# KiCad board shimarray.kicad_pcb (continued)
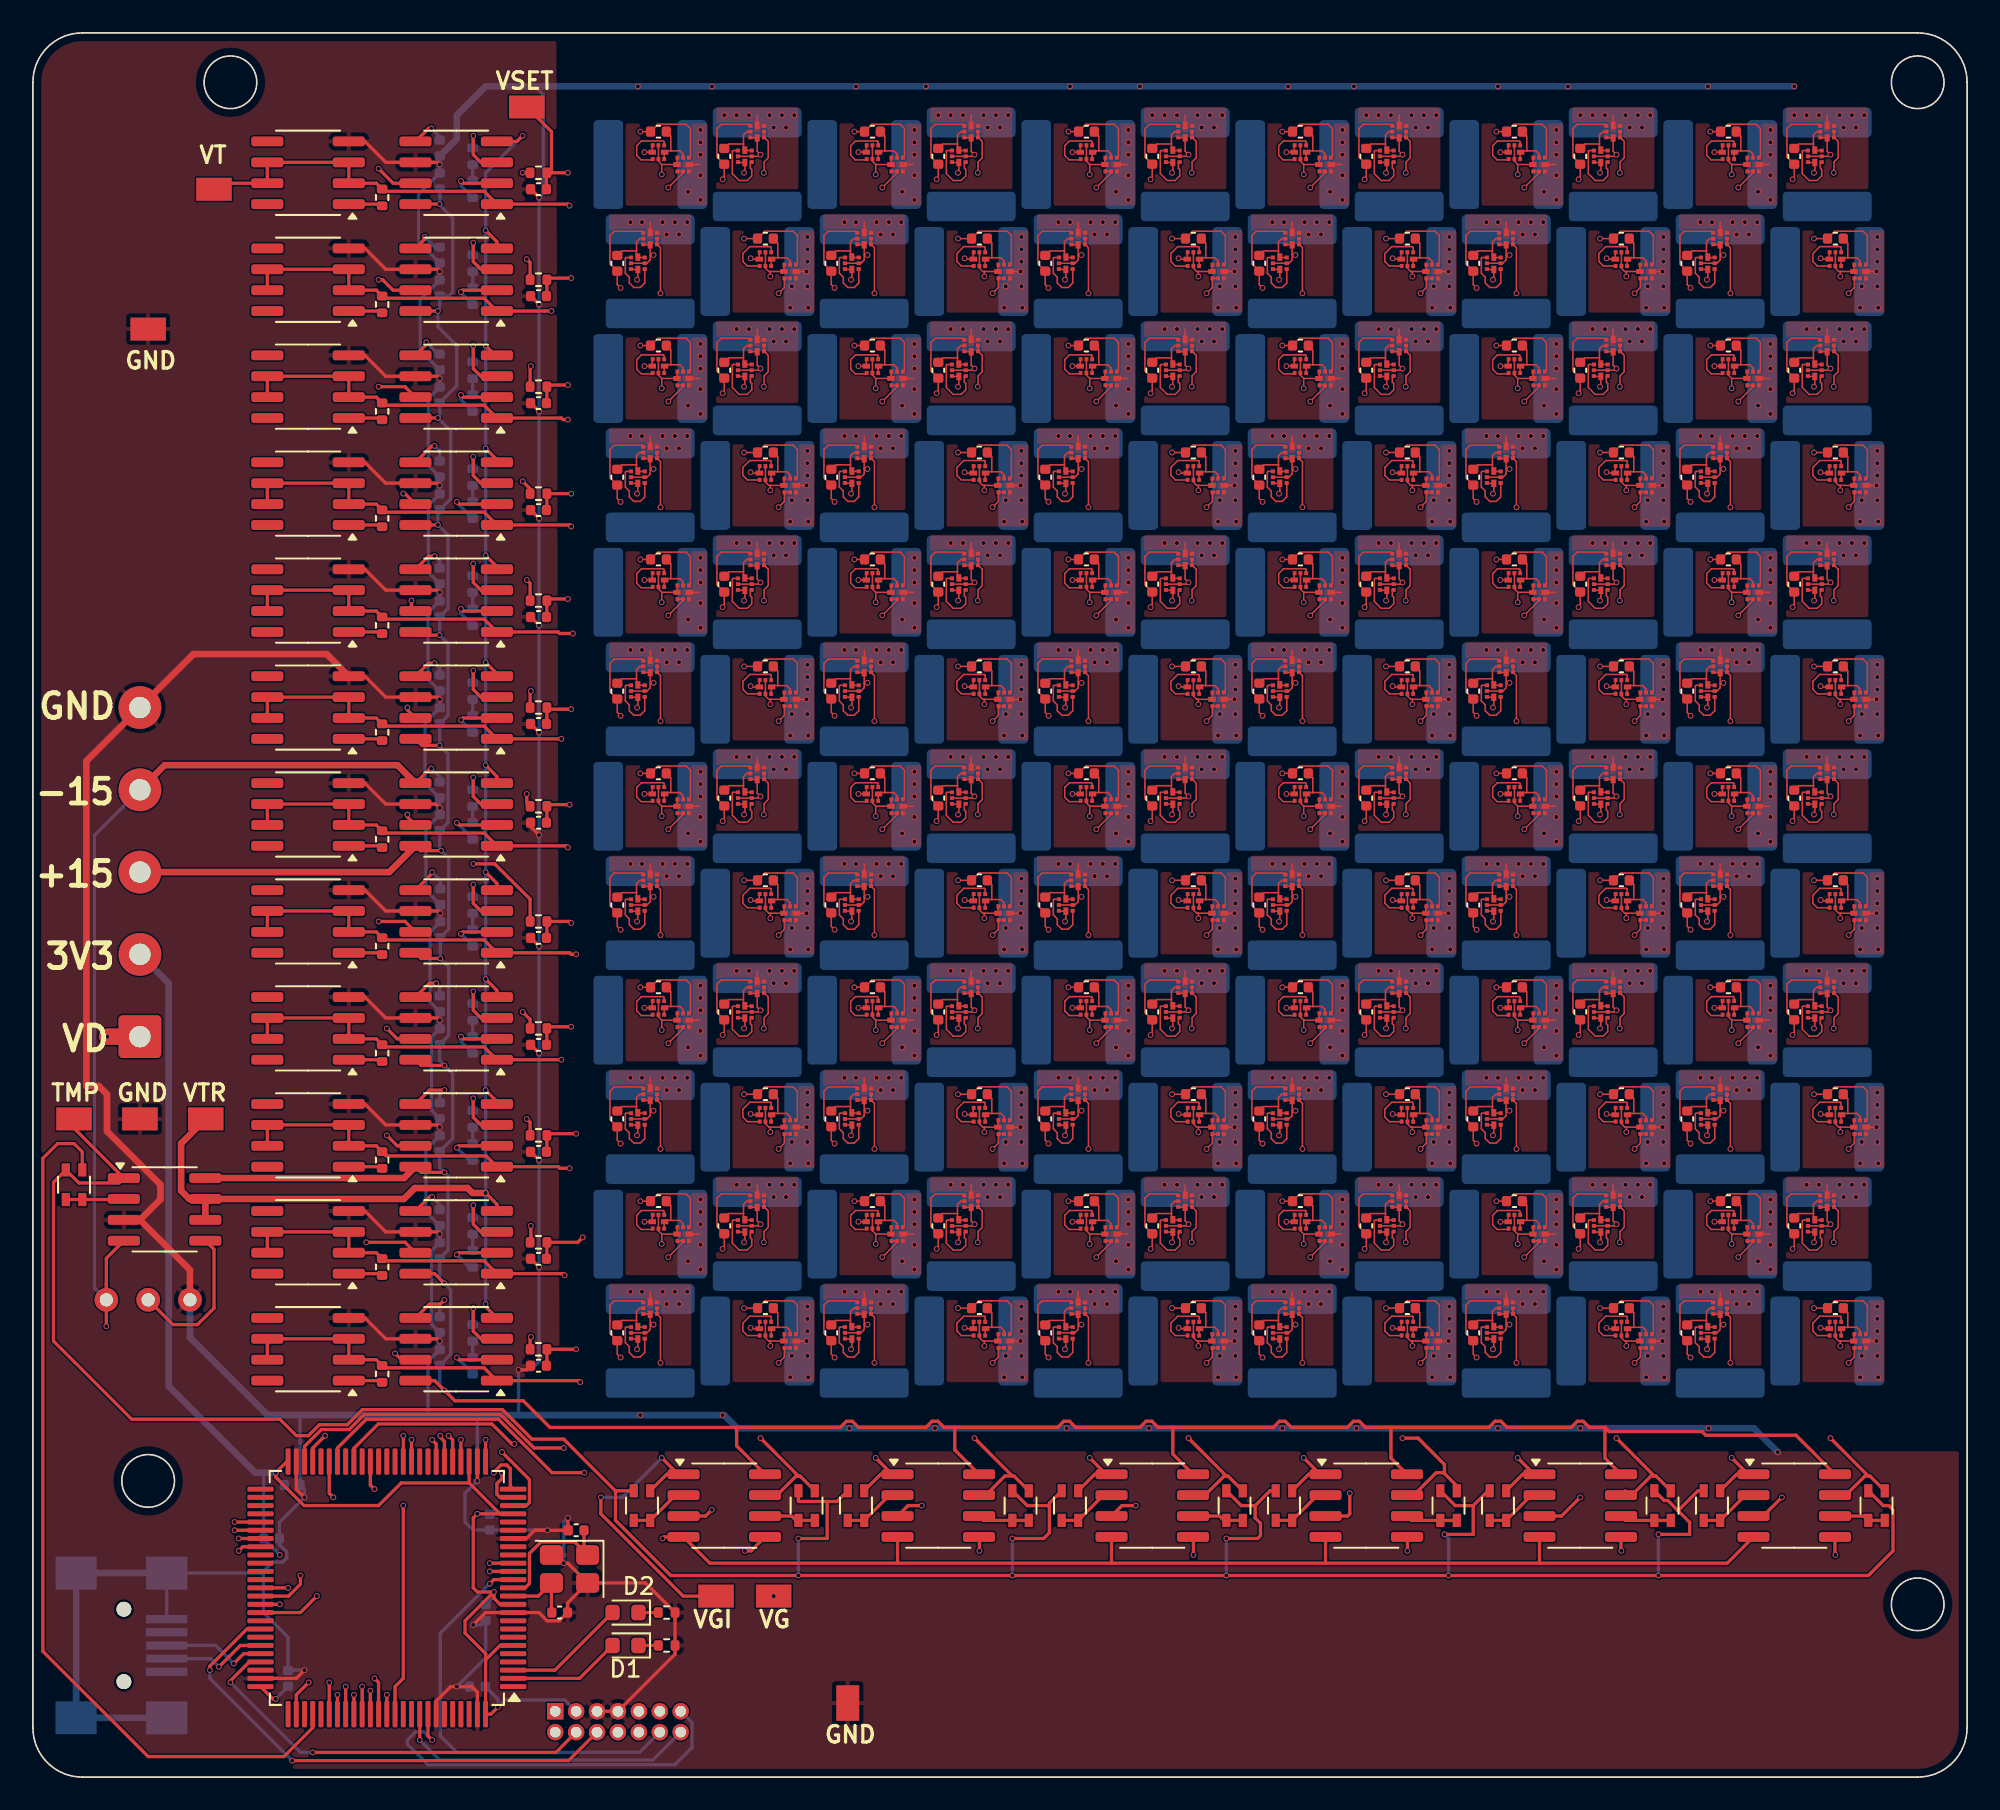
[diagram p0: board, top side]
## Routing (per net, layer and track width the routed paths; a pad name or vN(x,y) marks a point on that pad's centre or on a via; arc(x,y) is an arc through that point) (continued)
/Element_4x36/Vt4_1: length 130.7
  Top w0.09: Q224.1 Q224.2 78.5,45.5 v1(77.6,44.6) ; Q218.2 Q218.1 83.43,47.65 83.67,47.41 83.67,46.41 83.42,46.15 83.42,45.52 v1(83.4,45.5) ; v1(51.6,44.6) 52.5,45.5 Q208.2 Q208.1 ; v1(44.4,45.5) 44.42,45.52 44.42,46.15 44.67,46.41 44.67,47.41 44.43,47.65 Q194.1 Q194.2 ; v1(90.6,44.6) 91.5,45.5 Q232.2 Q232.1 ; Q210.2 Q210.1 70.43,47.65 70.67,47.41 70.67,46.41 70.42,46.15 70.42,45.52 v1(70.4,45.5) ; v1(64.6,44.6) 65.5,45.5 Q216.2 Q216.1 ; Q200.1 Q200.2 39.5,45.5 v1(38.6,44.6) ; Q240.1 Q240.2 104.5,45.5 v1(103.6,44.6) ; Q234.2 Q234.1 109.43,47.65 109.67,47.41 109.67,46.41 109.42,46.15 109.42,45.52 v1(109.4,45.5) ; Q202.2 Q202.1 57.43,47.65 57.67,47.41 57.67,46.41 57.42,46.15 57.42,45.52 v1(57.4,45.5) ; v1(96.4,45.5) 96.42,45.52 96.42,46.15 96.67,46.41 96.67,47.41 96.43,47.65 Q226.1 Q226.2
  Top w0.2: v1(32.1,43.6) 32.09,43.59 U21.1 27.41,44.37 21.35,44.37 R35.2 20.86,44.87 U20.2 U20.3 U20.6 U20.7
  In1.Cu w0.09: v1(38.6,44.6) 38.9,44.9 41.44,44.9 41.71,44.63 42.09,44.63 42.36,44.9 43.8,44.9 v1(44.4,45.5) 45.3,44.6 v1(51.6,44.6) 51.9,44.9 54.44,44.9 54.71,44.63 55.09,44.63 55.36,44.9 56.8,44.9 v1(57.4,45.5) 58.3,44.6 v1(64.6,44.6) 64.9,44.9 67.44,44.9 67.71,44.63 68.09,44.63 68.36,44.9 69.8,44.9 v1(70.4,45.5) 71.3,44.6 v1(77.6,44.6) 77.9,44.9 80.44,44.9 80.71,44.63 81.09,44.63 81.36,44.9 82.8,44.9 v1(83.4,45.5) 84.3,44.6 v1(90.6,44.6) 90.9,44.9 93.44,44.9 93.71,44.63 94.09,44.63 94.36,44.9 95.8,44.9 v1(96.4,45.5) 97.3,44.6 v1(103.6,44.6) 103.9,44.9 106.44,44.9 106.71,44.63 107.09,44.63 107.36,44.9 108.8,44.9 v1(109.4,45.5)
  In1.Cu w0.2: v1(38.6,44.6) 33.1,44.6 v1(32.1,43.6)
/Element_4x36/Vt4_2: length 128.5
  Top w0.09: Q196.2 Q196.1 45.65,38.53 v1(45.3,38.18) ; Q214.2 Q214.1 64.12,40.94 v1(64.12,38.18) ; Q204.2 Q204.1 58.65,38.53 v1(58.3,38.18) ; Q222.2 Q222.1 77.12,40.94 v1(77.12,38.18) ; v1(51.12,38.18) 51.12,40.94 Q206.1 Q206.2 ; Q212.2 Q212.1 71.65,38.53 v1(71.3,38.18) ; Q236.2 Q236.1 110.65,38.53 v1(110.3,38.18) ; v1(84.3,38.18) 84.65,38.53 Q220.1 Q220.2 ; v1(103.12,38.18) 103.12,40.94 Q238.1 Q238.2 ; v1(90.12,38.18) 90.12,40.94 Q230.1 Q230.2 ; v1(97.3,38.18) 97.65,38.53 Q228.1 Q228.2 ; Q198.2 Q198.1 38.12,40.94 v1(38.12,38.18)
  Top w0.2: U22.7 U22.6 U22.3 U22.2 20.86,38.37 R38.2 21.47,37.75 27.53,37.75 U23.1 31.91,37.09 32,37 v1(32.6,37)
  In1.Cu w0.09: v1(38.12,38.18) v1(45.3,38.18) v1(51.12,38.18) v1(58.3,38.18) v1(64.12,38.18) v1(71.3,38.18) v1(77.12,38.18) v1(84.3,38.18) v1(90.12,38.18) v1(97.3,38.18) v1(103.12,38.18) v1(110.3,38.18)
  In1.Cu w0.2: v1(38.12,38.18) 36.95,37 v1(32.6,37)
/Element_4x44/Vd4_1: length 96.5
  Top w0.09: 89.1,33.8 v1(89.15,33.75) Q279.6 ; 37.62,33.83 37.62,34.22 37.65,34.25 ; v1(95.2,32.5) 95.25,32.55 Q273.6 ; Q281.6 108.25,32.55 v1(108.2,32.5) ; Q241.6 43.25,32.55 v1(43.2,32.5) ; Q255.6 v1(50.15,33.75) 50.1,33.8 ; 42.75,33.15 42.78,33.12 43.17,33.12 ; 50.62,33.83 50.62,34.22 50.65,34.25 ; 108.17,33.12 107.78,33.12 107.75,33.15 ; v1(69.2,32.5) 69.25,32.55 Q257.6 ; 69.17,33.12 68.78,33.12 68.75,33.15 ; v1(56.2,32.5) 56.25,32.55 Q249.6 ; Q265.6 82.25,32.55 v1(82.2,32.5) ; 89.65,34.25 89.62,34.22 89.62,33.83 ; Q271.6 v1(76.15,33.75) 76.1,33.8 ; 63.1,33.8 v1(63.15,33.75) Q263.6 ; Q287.6 v1(102.15,33.75) 102.1,33.8 ; 76.65,34.25 76.62,34.22 76.62,33.83 ; 56.17,33.12 55.78,33.12 55.75,33.15 ; 102.62,33.83 102.62,34.22 102.65,34.25 ; 63.65,34.25 63.62,34.22 63.62,33.83 ; 37.1,33.8 v1(37.15,33.75) Q247.6 ; 82.17,33.12 81.78,33.12 81.75,33.15 ; 95.17,33.12 94.78,33.12 94.75,33.15
  Top w0.2: v1(33.4,32.8) 33.1,32.5 R14.2 31.22,31.53 C19.1
  In1.Cu w0.09: v1(108.2,32.5) 107.6,33.1 102.8,33.1 v1(102.15,33.75) 97.35,33.75 96.7,33.1 95.8,33.1 v1(95.2,32.5) 94.6,33.1 89.8,33.1 v1(89.15,33.75) 84.35,33.75 83.7,33.1 82.8,33.1 v1(82.2,32.5) 81.6,33.1 76.8,33.1 v1(76.15,33.75) 71.35,33.75 70.7,33.1 69.8,33.1 v1(69.2,32.5) 68.6,33.1 63.8,33.1 v1(63.15,33.75) 58.35,33.75 57.7,33.1 56.8,33.1 v1(56.2,32.5) 55.6,33.1 50.8,33.1 v1(50.15,33.75) 45.35,33.75 44.7,33.1 43.8,33.1 v1(43.2,32.5) 42.6,33.1 37.8,33.1 v1(37.15,33.75)
  In1.Cu w0.2: v1(33.4,32.8) 36.2,32.8 v1(37.15,33.75)
/Element_4x44/Vd4_2: length 96.6
  Top w0.09: 75.25,26.65 75.28,26.62 75.67,26.62 ; v1(95.6,27.3) 95.65,27.25 Q275.6 ; Q277.6 88.75,26.05 v1(88.7,26) ; Q283.6 108.65,27.25 v1(108.6,27.3) ; v1(75.7,26) 75.75,26.05 Q269.6 ; 62.25,26.65 62.28,26.62 62.67,26.62 ; Q259.6 69.65,27.25 v1(69.6,27.3) ; Q251.6 56.65,27.25 v1(56.6,27.3) ; v1(82.6,27.3) 82.65,27.25 Q267.6 ; 49.25,26.65 49.28,26.62 49.67,26.62 ; 88.67,26.62 88.28,26.62 88.25,26.65 ; 36.25,26.65 36.28,26.62 36.67,26.62 ; Q243.6 43.65,27.25 v1(43.6,27.3) ; 101.25,26.65 101.28,26.62 101.67,26.62 ; v1(36.7,26) 36.75,26.05 Q245.6 ; 109.12,27.33 109.12,27.72 109.15,27.75 ; 70.12,27.33 70.12,27.72 70.15,27.75 ; 57.15,27.75 57.12,27.72 57.12,27.33 ; 96.15,27.75 96.12,27.72 96.12,27.33 ; v1(101.7,26) 101.75,26.05 Q285.6 ; v1(62.7,26) 62.75,26.05 Q261.6 ; 83.15,27.75 83.12,27.72 83.12,27.33 ; Q253.6 49.75,26.05 v1(49.7,26) ; 44.15,27.75 44.12,27.72 44.12,27.33
  Top w0.2: v1(33,26) R13.2 31.22,25.03 C20.1
  In1.Cu w0.09: v1(108.6,27.3) 103.36,27.3 102.89,26.83 102.53,26.83 v1(101.7,26) 97.8,26 96.5,27.3 v1(95.6,27.3) 90.36,27.3 89.89,26.83 89.53,26.83 v1(88.7,26) 84.8,26 83.5,27.3 v1(82.6,27.3) 77.36,27.3 76.89,26.83 76.53,26.83 v1(75.7,26) 71.8,26 70.5,27.3 v1(69.6,27.3) 64.36,27.3 63.89,26.83 63.53,26.83 v1(62.7,26) 58.8,26 57.5,27.3 v1(56.6,27.3) 51.36,27.3 50.89,26.83 50.53,26.83 v1(49.7,26) 45.8,26 44.5,27.3 v1(43.6,27.3) 38.36,27.3 37.89,26.83 37.53,26.83 v1(36.7,26)
  In1.Cu w0.2: v1(36.7,26) v1(33,26)
/Element_4x44/Vt4_1: length 130.7
  Top w0.09: v1(77.6,31.6) 78.5,32.5 Q272.2 Q272.1 ; Q250.2 Q250.1 57.43,34.65 57.67,34.41 57.67,33.41 57.42,33.15 57.42,32.52 v1(57.4,32.5) ; Q266.2 Q266.1 83.43,34.65 83.67,34.41 83.67,33.41 83.42,33.15 83.42,32.52 v1(83.4,32.5) ; Q282.2 Q282.1 109.43,34.65 109.67,34.41 109.67,33.41 109.42,33.15 109.42,32.52 v1(109.4,32.5) ; Q256.1 Q256.2 52.5,32.5 v1(51.6,31.6) ; v1(38.6,31.6) 39.5,32.5 Q248.2 Q248.1 ; v1(70.4,32.5) 70.42,32.52 70.42,33.15 70.67,33.41 70.67,34.41 70.43,34.65 Q258.1 Q258.2 ; Q288.1 Q288.2 104.5,32.5 v1(103.6,31.6) ; v1(44.4,32.5) 44.42,32.52 44.42,33.15 44.67,33.41 44.67,34.41 44.43,34.65 Q242.1 Q242.2 ; v1(90.6,31.6) 91.5,32.5 Q280.2 Q280.1 ; Q274.2 Q274.1 96.43,34.65 96.67,34.41 96.67,33.41 96.42,33.15 96.42,32.52 v1(96.4,32.5) ; v1(64.6,31.6) 65.5,32.5 Q264.2 Q264.1
  Top w0.2: v1(32.3,30.5) 32.21,30.59 U25.1 27.41,31.37 21.35,31.37 R41.2 20.86,31.87 U24.2 U24.3 U24.6 U24.7
  In1.Cu w0.09: v1(38.6,31.6) 38.9,31.9 41.44,31.9 41.71,31.63 42.09,31.63 42.36,31.9 43.8,31.9 v1(44.4,32.5) 45.3,31.6 v1(51.6,31.6) 51.9,31.9 54.44,31.9 54.71,31.63 55.09,31.63 55.36,31.9 56.8,31.9 v1(57.4,32.5) 58.3,31.6 v1(64.6,31.6) 64.9,31.9 67.44,31.9 67.71,31.63 68.09,31.63 68.36,31.9 69.8,31.9 v1(70.4,32.5) 71.3,31.6 v1(77.6,31.6) 77.9,31.9 80.44,31.9 80.71,31.63 81.09,31.63 81.36,31.9 82.8,31.9 v1(83.4,32.5) 84.3,31.6 v1(90.6,31.6) 90.9,31.9 93.44,31.9 93.71,31.63 94.09,31.63 94.36,31.9 95.8,31.9 v1(96.4,32.5) 97.3,31.6 v1(103.6,31.6) 103.9,31.9 106.44,31.9 106.71,31.63 107.09,31.63 107.36,31.9 108.8,31.9 v1(109.4,32.5)
  In1.Cu w0.2: v1(32.3,30.5) 33.4,31.6 v1(38.6,31.6)
/Element_4x44/Vt4_2: length 128.5
  Top w0.09: Q260.2 Q260.1 71.65,25.53 v1(71.3,25.18) ; v1(51.12,25.18) 51.12,27.94 Q254.1 Q254.2 ; Q286.2 Q286.1 103.12,27.94 v1(103.12,25.18) ; Q246.2 Q246.1 38.12,27.94 v1(38.12,25.18) ; Q244.2 Q244.1 45.65,25.53 v1(45.3,25.18) ; v1(77.12,25.18) 77.12,27.94 Q270.1 Q270.2 ; Q262.2 Q262.1 64.12,27.94 v1(64.12,25.18) ; Q278.2 Q278.1 90.12,27.94 v1(90.12,25.18) ; Q252.2 Q252.1 58.65,25.53 v1(58.3,25.18) ; Q268.2 Q268.1 84.65,25.53 v1(84.3,25.18) ; Q284.2 Q284.1 110.65,25.53 v1(110.3,25.18) ; v1(97.3,25.18) 97.65,25.53 Q276.1 Q276.2
  Top w0.2: U26.7 U26.6 U26.3 U26.2 20.86,25.37 R44.2 21.35,24.87 27.41,24.87 U27.1 33.16,24.09 v1(33.25,24)
  In1.Cu w0.09: v1(38.12,25.18) v1(45.3,25.18) v1(51.12,25.18) v1(58.3,25.18) v1(64.12,25.18) v1(71.3,25.18) v1(77.12,25.18) v1(84.3,25.18) v1(90.12,25.18) v1(97.3,25.18) v1(103.12,25.18) v1(110.3,25.18)
  In1.Cu w0.2: v1(38.12,25.18) 36.95,24 v1(33.25,24)
/Gate driver/TMP: length 196.1
  Top w0.2: RN10.2 101.15,17.4 99.94,16.19 ; 61.75,16.5 61.75,16.65 RN4.2 ; 61.75,16.5 61.75,14.85 61.4,14.5 v1(59.5,14.5) ; 61.75,16.5 60.4,16.5 RN3.2 ; v1(46.5,14.5) 48.25,14.5 48.25,16.75 ; RN7.2 86.4,16.5 87.5,16.5 ; 87.5,16.5 87.5,14.75 v1(85.75,14.75) ; 87.5,16.5 88.4,17.4 RN8.2 ; 74.25,16.5 74.25,15.75 74.57,15.43 74.57,14.68 74.4,14.5 v1(72.5,14.5) ; 74.25,16.5 75.15,17.4 RN6.2 ; 74.25,16.5 73.4,16.5 RN5.2 ; 35.39,17.39 35.39,15.61 38.75,12.25 v1(46.5,12.25) v1(59.5,12.25) v1(72.5,12.25) v1(86,12.25) v1(98.75,12.25) 111.5,12.25 113,13.75 113,16.25 112.75,16.5 112.4,16.5 RN11.2 ; 35.39,17.39 35.4,17.4 RN12.2 ; 35.39,17.39 32.24,20.54 30.31,20.54 28.52,22.33 20.01,22.33 19.09,21.42 17.4,21.42 16.74,20.75 16,20.75 15,21.75 6,21.75 1.25,26.5 1.25,36.15 RN1.4 2.8,36.1 5.22,36.1 U2.1 2.5,39.43 TP5.1 ; v1(98.75,14.75) 100.65,14.75 100.65,15.48 99.94,16.19 ; 99.94,16.19 99.32,16.81 99.09,16.81 RN9.2 ; RN13.2 46.5,16.75 48.25,16.75 ; RN2.2 48.85,16.75 48.25,16.75
  Bottom w0.2: v1(46.5,14.5) v1(46.5,12.25) ; v1(86,12.25) 86,14.5 v1(85.75,14.75) ; v1(72.5,14.5) v1(72.5,12.25) ; v1(59.5,14.5) v1(59.5,12.25) ; v1(98.75,14.75) v1(98.75,12.25)
/RX: length 24.6
  Top w0.2: U1.93 24,2.5 v1(24.25,2.25)
  Bottom w0.2: v1(24.25,2.25) 23.75,2.75 23.25,2.75 22.75,2.25 22.75,2 24,0.75 39,0.75 40.04,1.79 40.04,3.31 J2.13
/SWCLK: length 31.1
  Top w0.2: v1(15.75,1) 32.54,1 J2.6 ; U1.68 13,9 10.75,6.75 v1(10.75,6.5)
  Bottom w0.2: v1(15.75,1) 10.75,6 v1(10.75,6.5)
/SWDIO: length 25.7
  Top w0.2: U1.72 13.15,7 12,5.85 v1(12,5.75) ; J2.4 31.77,1.5 v1(17,1.5)
  Bottom w0.2: v1(12,5.75) 16.25,1.5 v1(17,1.5)
/TMP1: length 90.1
  Top w0.2: v1(21,97.75) 21.89,96.86 U30.7 ; v1(28.5,19.75) 30.17,18.08 30.17,16.69 29.97,16.5 U1.23
  In1.Cu w0.2: v1(21,97.75) 28.5,90.25 28.5,85.23 28.38,85.11 28.38,68.64 28.58,68.44 28.58,64.47 28.34,64.23 28.34,47.33 28.12,47.12 28.12,42.82 28.3,42.65 28.3,41.44 28.05,41.19 28.05,35.89 28.17,35.78 28.17,35.22 28.05,35.11 28.05,33.35 28.05,33.35 28.05,29.14 28.17,29.03 28.17,28.47 27.67,27.98 27.67,25.97 27.3,25.6 27.3,21.65 28.58,20.37 28.58,19.83 v1(28.5,19.75)
/TMP2: length 83.9
  Top w0.2: U1.24 28.38,17 28.18,17.19 28.18,17.83 28.5,18.15 v1(28.5,18.5) ; v1(21,91) 21.25,91 21.89,90.36 U32.7
  In1.Cu w0.2: v1(21,91) 24.25,91 28,87.25 28,68.61 28.29,68.32 28.29,64.59 28.05,64.35 28.05,47.45 27.84,47.24 27.84,42.7 28.01,42.53 28.01,41.56 27.76,41.31 27.76,35.77 27.88,35.66 27.88,35.34 27.76,35.23 27.76,33.47 27.76,33.47 27.76,29.02 27.88,28.91 27.88,28.59 27.38,28.1 27.38,26.09 27.01,25.72 27.01,21.53 28.12,20.42 28.12,19.59 28.5,19.22 v1(28.5,18.5)
/TMP3: length 80.2
  Top w0.2: U1.25 29,17.68 29,18.75 28.78,18.97 28.44,18.97 28,18.53 v1(28,18.5) ; v1(21,84.5) 22.6,84.5 U9.7
  In1.Cu w0.2: v1(21,84.5) 21.88,83.62 26.13,83.62 27.12,82.63 27.12,80.59 27.34,80.37 27.34,78.61 27.12,78.38 27.12,73.83 27.55,73.4 27.55,68.65 28,68.2 28,64.71 27.12,63.83 27.12,61.17 27.76,60.53 27.76,57.22 27.12,56.58 27.12,55.73 27.18,55.68 27.18,55.32 27.12,55.27 27.12,54.84 27.34,54.62 27.34,54.31 27.12,54.09 27.12,47.83 27.54,47.4 27.54,44.94 27.12,44.51 27.12,41.59 27.38,41.34 26.76,40.72 26.76,37.28 27.12,36.92 27.12,34.99 27.47,34.64 27.47,34.4 27.12,34.05 27.12,28.59 27.22,28.5 27.22,28.35 27.09,28.23 27.09,26.21 26.72,25.84 26.72,20.75 27.34,20.12 27.66,20.12 27.66,19.91 27.37,19.62 27.37,19.13 v1(28,18.5)
/TMP4: length 62.9
  Top w0.2: U1.26 v1(27.5,20.5) ; U11.7 22.6,78 v1(22.5,78)
  In2.Cu w0.2: v1(22.5,78) 24,78 25.18,76.82 25.18,71.23 25.54,70.87 25.54,64.03 25.66,63.91 25.66,63.75 26.13,63.28 26.13,54.28 26.38,54.03 26.38,48.26 26.33,48.22 26.33,47.64 27.13,46.84 27.13,41.98 27.07,41.93 27.07,41.57 27.13,41.52 27.13,35.73 27.07,35.68 27.07,34.96 27.13,34.91 27.13,28.98 27.07,28.93 27.07,28.71 27.13,28.66 27.13,20.87 v1(27.5,20.5)
/TMP5: length 55.8
  Top w0.2: U13.7 23,71.1 v1(23,71.5) ; U1.29 v1(26,20.5)
  In2.Cu w0.2: v1(26,20.5) 26,21.09 26.42,21.51 26.42,28.3 26.29,28.43 26.29,31.35 26.42,31.47 26.42,33.99 26.25,34.16 26.25,44.72 26.38,44.84 26.38,46.12 26.04,46.46 26.04,50.68 25.54,51.18 25.54,57.68 25.25,57.97 25.25,60.59 25.37,60.71 25.37,63.79 25.25,63.91 25.25,70.75 23.75,70.75 v1(23,71.5)
/TMP6: length 50.2
  Top w0.2: U1.30 25.5,20.5 v1(25.25,20.75) ; U15.7 22.75,64.85 v1(22.75,65)
  In2.Cu w0.2: v1(22.75,65) 23.75,65 25.08,63.67 25.08,60.83 24.25,60 24.25,58.56 25.25,57.56 25.25,51.06 25.5,50.81 25.5,43.91 25.67,43.74 25.67,41.47 25.54,41.35 25.54,40.13 25.25,39.84 25.25,37.03 25.38,36.91 25.38,36.25 25.38,36.25 25.38,34.62 26.12,33.88 26.12,31.59 26,31.47 26,28.31 26.12,28.18 26.12,21.62 v1(25.25,20.75)
/TMP7: length 44.3
  Top w0.2: U17.7 22.75,58.35 v1(22.75,58.5) ; v1(24.75,20.75) 24.75,20.65 25,20.4 U1.31
  In2.Cu w0.2: v1(24.75,20.75) 24.75,21.5 25.5,22.25 25.5,24.5 25.25,24.75 25.25,28.72 25.5,28.97 25.5,31.47 25.09,31.88 25.09,36.13 24.25,36.97 24.25,39.57 24.93,40.25 25.25,40.25 25.25,41.47 25.38,41.59 25.38,41.91 24.34,42.94 24.34,47.56 25.13,48.34 25.13,50.62 24,51.75 24,53.5 24.75,54.25 24.75,55.03 23.25,56.53 23.25,58 v1(22.75,58.5)
/TMP8: length 37
  Top w0.2: v1(24.25,20.5) 24.5,20.25 U1.32 ; v1(21,52) 22.6,52 U19.7
  In2.Cu w0.2: v1(24.25,20.5) 24.25,25.75 22,28 22,38.56 22.25,38.81 22.25,40.75 22,41 22,51 v1(21,52)
/TMP9: length 29.6
  Top w0.2: U21.7 22.14,44.87 v1(21.5,45.5) ; U1.35 v1(23,20.5)
  In2.Cu w0.2: v1(21.5,45.5) 21.25,45.25 21.25,41.25 21.96,40.54 21.96,38.93 21.71,38.68 21.71,27.79 23.25,26.25 23.25,20.75 v1(23,20.5)
/TMP10: length 22.9
  Top w0.2: U1.36 v1(22.5,20.75) ; v1(21.5,39) 22.14,38.37 U23.7
  In2.Cu w0.2: v1(22.5,20.75) 22.75,21 22.75,26 21.88,26.87 21.88,27.21 20.96,28.13 20.96,38.46 v1(21.5,39)
/TMP11: length 27.9
  Top w0.2: v1(20.25,32.5) 22.6,32.5 U25.7 ; U1.15 v1(27.75,12.5)
  In2.Cu w0.2: v1(20.25,32.5) 20.25,19.75 27.5,12.5 v1(27.75,12.5)
/TMP12: length 18
  Top w0.2: v1(22,25.75) 22.39,25.37 U27.7 ; v1(27.75,13) U1.16
  In2.Cu w0.2: v1(27.75,13) 22,18.75 v1(22,25.75)
/TMP_SEL: length 54.6
  Top w0.2: RN1.3 3,38 2.5,38.5 1.5,38.5 0.6,37.6 0.6,7.65 7,1.25 15.25,1.25 17,3 U1.79
/TX: length 18.6
  Top w0.2: v1(23.5,2.25) U1.92
  Bottom w0.2: J2.14 37.66,1.04 24.71,1.04 v1(23.5,2.25)
/VD1: length 88.2
  Top w0.2: v1(30,92.25) 30.2,92.05 R3.1 ; U1.40 20.5,17.75 v1(20.75,17.5)
  In1.Cu w0.2: v1(20.75,17.5) 27.84,17.5 28.38,18.04 28.57,18.04 29.17,18.64 29.17,18.74 29.63,19.2 29.63,20.56 29.3,20.88 28.89,20.88 27.88,21.89 27.88,25.36 28.25,25.73 28.25,27.74 28.75,28.23 28.75,29.27 28.63,29.38 28.63,33.11 28.63,33.11 28.63,34.87 28.75,34.98 28.75,36.02 28.63,36.13 28.63,40.95 28.88,41.2 28.88,42.89 28.71,43.06 28.71,46.88 28.92,47.09 28.92,63.99 29.21,64.28 29.21,68.63 28.96,68.88 28.96,84.87 29.41,85.32 29.41,85.33 29.5,85.41 29.5,91.75 v1(30,92.25)
/VD2: length 91.6
  Top w0.2: R4.1 v1(29.75,97.5) ; U1.42 19.5,19.97 20.99,21.46 27.88,21.46 29.09,20.25 v1(29.25,20.25)
  In1.Cu w0.2: v1(29.25,20.25) 29.11,20.25 27.59,21.77 27.59,25.48 27.96,25.85 27.96,27.86 28.46,28.35 28.46,29.15 28.34,29.26 28.34,33.23 28.34,33.23 28.34,34.99 28.46,35.1 28.46,35.9 28.34,36.01 28.34,41.07 28.59,41.32 28.59,42.77 28.41,42.94 28.41,47 28.63,47.21 28.63,64.11 28.92,64.4 28.92,68.51 28.67,68.76 28.67,84.99 29.12,85.44 29.12,96.87 v1(29.75,97.5)
/VD3: length 80.6
  Top w0.2: v1(33.5,18.5) 31.53,18.5 28.28,21.75 20.25,21.75 18.5,20 U1.44 ; v1(29.75,78.75) 30.2,78.3 R5.1
  In1.Cu w0.2: v1(33.5,18.5) 33.5,20.8 31.92,22.38 31.92,42.08 31.42,42.58 31.42,77.08 v1(29.75,78.75)
/VD4: length 85.4
  Top w0.2: v1(18.25,17) 18,17.25 U1.45 ; R6.1 30.2,85.7 v1(30.25,85.75)
  In1.Cu w0.2: v1(18.25,17) 28.25,17 29.21,17.96 29.21,18.12 29.92,18.83 29.92,20.76 29.51,21.17 29.01,21.17 28.17,22.01 28.17,24.74 28.54,25.11 28.54,27.62 29.04,28.11 29.04,29.39 28.92,29.5 28.92,32.99 28.92,32.99 28.92,34.75 29.04,34.86 29.04,36.14 28.92,36.25 28.92,40.74 29.17,40.99 29.17,43.01 29,43.18 29,46.76 29.21,46.97 29.21,59.9 29.5,60.19 29.5,68.75 29.25,69 29.25,84.75 29.71,85.2 29.71,85.2 29.79,85.29 29.79,85.29 v1(30.25,85.75)
/VD5: length 74.2
  Top w0.2: U1.77 16,5 v1(16.75,5.75) ; R7.1 30.2,65.95 v1(30.25,66)
  In1.Cu w0.2: v1(16.75,5.75) 17.25,5.75 26.09,14.59 29.48,14.59 31.76,16.87 31.76,19.89 32.07,19.57 32.43,19.57 32.68,19.82 32.68,21.22 31.63,22.26 31.63,41.37 31.13,41.87 31.13,59.16 30.37,59.91 30.37,65.88 v1(30.25,66)
/VD6: length 79.3
  Top w0.2: R8.1 30.2,72.55 v1(30,72.75) ; U1.89 22,5.5 22.5,6 v1(22.5,16.5)
  In1.Cu w0.2: v1(22.5,16.5) 23.34,16.5 23.38,16.54 26.53,16.54 26.68,16.69 28.69,16.69 30.21,18.21 30.21,20.88 29.63,21.46 29.13,21.46 28.46,22.13 28.46,24.62 28.83,24.99 28.83,27.5 29.33,27.99 29.33,29.51 29.21,29.62 29.21,32.87 29.21,32.87 29.21,33.87 29.33,33.99 29.33,36.26 29.21,36.37 29.21,40.62 29.46,40.87 29.46,43.13 29.28,43.3 29.28,46.64 29.5,46.85 29.5,59.78 29.62,59.9 29.62,59.91 30,60.28 30,65.65 29.82,65.82 29.82,66.18 30,66.35 v1(30,72.75)
/VD7: length 47.2
  Top w0.2: R9.1 30.2,53.35 28.06,55.5 v1(26.75,55.5) ; U1.47 17,20 v1(17.75,20.75)
  In1.Cu w0.2: v1(26.75,55.5) 23.5,52.25 23.5,24.5 19.75,20.75 v1(17.75,20.75)
/VD8: length 60.5
  Top w0.2: v1(32.25,20) 30.44,20 28.4,22.04 20.13,22.04 19.21,21.12 17.52,21.12 16.5,20.1 U1.48 ; R10.1 30,59.2 v1(30,59.75)
  In1.Cu w0.2: v1(32.25,20) 32.25,21.23 31.25,22.23 31.25,32.22 30.37,33.09 31.13,33.84 31.13,41.37 30.29,42.21 30.29,43.37 30.18,43.49 30.18,46.68 30,46.85 v1(30,59.75)
/VD9: length 44.4
  Top w0.2: v1(15.5,11.5) U1.63 ; R11.1 30.2,39.8 v1(30,40)
  In1.Cu w0.2: v1(15.5,11.5) 17.5,11.5 21.83,15.83 26.57,15.83 26.85,15.56 27.93,15.56 28.21,15.83 29.49,15.83 30.79,17.13 30.79,21.12 29.88,22.04 29.88,24.91 29.58,25.2 29.58,27.03 29.91,27.35 29.91,29.75 29.79,29.86 29.79,33.63 30.04,33.88 30.04,36.36 29.87,36.53 29.87,39.87 v1(30,40)
/VD10: length 51.8
  Top w0.2: R12.1 30.2,46.05 v1(29.75,46.5) ; U1.64 15.53,11 16.25,11.72 v1(16.25,12.25)
  In1.Cu w0.2: v1(16.25,12.25) 16.25,12.75 19.62,16.12 26.57,16.12 26.86,16.41 27.93,16.41 28.21,16.12 29.37,16.12 30.5,17.25 30.5,21 29,22.5 29,22.5 29.12,22.62 29.12,25.62 29.25,25.75 29.25,27.1 29.62,27.47 29.62,29.63 29.5,29.74 29.5,32.75 ; 29.5,32.75 29.5,33.75 29.75,34 29.75,36.24 29.5,36.49 29.5,40.03 29.75,40.28 v1(29.75,46.5)
/VD11: length 31.6
  Top w0.2: R13.1 30.2,26.7 v1(30.25,26.75) ; v1(15,10.5) U1.65
  In1.Cu w0.2: v1(30.25,26.75) 30.83,26.17 30.83,22.24 31.37,21.7 31.37,16.89 29.36,14.88 25.97,14.88 21.59,10.5 16.35,10.5 15.93,10.07 15.42,10.07 v1(15,10.5)
/VD12: length 38.5
  Top w0.2: R14.1 30.25,32.55 v1(30.25,33.5) ; U1.66 16.25,10 v1(17.25,11)
  In1.Cu w0.2: v1(30.25,33.5) 30.08,33.33 30.08,29.98 30.2,29.87 30.2,27.23 29.87,26.91 29.87,26.59 30.54,25.93 30.54,22.12 31.08,21.58 31.08,17.01 29.49,15.42 28.2,15.42 28.05,15.26 26.72,15.26 26.57,15.42 24.35,15.42 19.93,11 v1(17.25,11)
/VG1: length 39.8
  Top w0.2: v1(41.25,16.25) 40.87,15.87 U28.3 ; v1(18,5.75) U1.81
  In1.Cu w0.2: v1(18,5.75) 18.88,6.62 18.88,6.78 19.97,7.88 20.12,7.88 26.55,14.3 29.6,14.3 31.55,16.25 v1(41.25,16.25) 43.75,16.25 45,15 v1(45,11)
/VG2: length 31.7
  Top w0.2: U1.82 v1(18.5,5) ; v1(43.25,13.75) 43.63,13.75 U28.5
  In1.Cu w0.2: v1(43.25,13.75) 26.75,13.75 20.58,7.59 20.09,7.59 19.17,6.66 19.17,6.27 18.5,5.6 v1(18.5,5)
/VG3: length 43.3
  Top w0.2: U1.83 v1(19,5.5) ; U3.3 53.16,16.5 v1(54,16.5)
  In1.Cu w0.2: v1(19,5.5) 19,5.51 19.45,5.97 19.45,6.54 20.21,7.29 20.78,7.29 21.4,7.91 21.86,7.91 22.06,8.11 45.61,8.11 v1(54,16.5)
/VG4: length 44.3
  Top w0.2: U3.5 57.5,14.57 v1(57.5,13.75) ; U1.84 v1(19.5,5)
  In1.Cu w0.2: v1(19.5,5) 19.5,5.6 19.75,5.85 19.75,6.42 20.33,7 20.9,7 21.52,7.62 21.98,7.62 22.18,7.82 51.57,7.82 v1(57.5,13.75)
/VG5: length 55.4
  Top w0.2: U4.3 66.16,16.5 v1(67,16.5) ; U1.85 v1(20,5.5)
  In1.Cu w0.2: v1(20,5.5) 20.03,5.53 20.03,6.3 20.45,6.72 21.22,6.72 21.83,7.33 22.1,7.33 22.3,7.53 58.03,7.53 v1(67,16.5)
/VG6: length 56.7
  Top w0.2: v1(20.5,5.25) U1.86 ; v1(70.5,13.5) 70.5,14.57 U4.5
  In1.Cu w0.2: v1(20.5,5.25) 20.5,5.65 20.33,5.82 20.33,6.18 20.57,6.43 21.39,6.43 22.01,7.04 22.22,7.04 22.42,7.24 64.24,7.24 v1(70.5,13.5)
/VG7: length 69.1
  Top w0.2: v1(20.75,6) 21,5.75 U1.87 ; U5.3 79.87,15.87 80,16 v1(80,17.25)
  In1.Cu w0.2: v1(80,17.25) 80,17 69.95,6.95 22.54,6.95 22.34,6.75 22.25,6.75 21.5,6 v1(20.75,6)
/VG8: length 67.9
  Top w0.2: U5.5 83.5,14.57 v1(83.5,13.75) ; U1.88 v1(21.5,5)
  In1.Cu w0.2: v1(83.5,13.75) 75.71,5.96 29.12,5.96 28.87,6.21 25.37,6.21 24.62,5.46 23.3,5.46 22.84,5 v1(21.5,5)
/VG9: length 103.2
  Top w0.2: U1.55 v1(12.25,15.5) ; U6.3 92.87,15.87 v1(94,17)
  In1.Cu w0.2: v1(94,17) 83.4,17 72.65,6.25 42,6.25 41.75,6.5 22.5,6.5 21.5,5.5 21.47,5.5 21,5.03 21,5 20.62,4.62 16.12,4.62 15.87,4.37 12.63,4.37 12.5,4.5 13,5 13,15 12.5,15.5 v1(12.25,15.5)
/VG10: length 104.4
  Top w0.2: v1(96.5,13.75) 96.47,13.78 U6.5 ; v1(12.25,15) U1.56
  In1.Cu w0.2: v1(12.25,15) 10.63,13.38 10.63,12.95 9.92,12.24 9.92,7.09 9.79,6.96 9.79,6.11 11.63,4.27 11.63,4.14 12.27,3.5 19.98,3.5 20.15,3.67 22.74,3.67 22.78,3.71 23.46,3.71 24.25,4.5 25.83,4.5 26.18,4.84 29.23,4.84 29.48,5.09 87.69,5.09 96.35,13.75 v1(96.5,13.75)
/VG11: length 115.5
  Top w0.2: v1(106.25,17) 105.12,15.87 U7.3 ; v1(12.5,14.5) U1.57
  In1.Cu w0.2: v1(106.25,17) 103.5,14.25 92.85,14.25 83.98,5.38 29.36,5.38 29.11,5.13 26.04,5.13 25.7,4.78 23.78,4.78 23,4 22.66,4 22.62,3.96 20.03,3.96 19.86,3.79 12.39,3.79 11.92,4.26 11.92,4.39 10.08,6.23 10.08,6.84 10.21,6.97 10.21,12.12 10.92,12.83 10.92,12.92 v1(12.5,14.5)
/VG12: length 119.5
  Top w0.2: v1(12.5,13.75) 12.75,14 U1.58 ; v1(109.5,13.5) 109.47,13.53 U7.5
  In1.Cu w0.2: v1(12.5,13.75) 12.25,13.5 12,13.5 10.5,12 10.5,6.85 10.37,6.72 10.37,6.35 12.21,4.51 12.21,4.38 12.51,4.08 19.24,4.08 19.41,4.25 22.5,4.25 23.33,5.07 24.65,5.07 25.45,5.88 26.05,5.88 26.26,5.67 80.27,5.67 90.85,16.25 104.5,16.25 105.75,17.5 107.25,17.5 109.5,15.25 v1(109.5,13.5)
/VT_REF: length 112.5
  Top w0.2: U21.4 28.19,47.81 v1(27.5,48.5) ; U13.4 28.19,73.56 v1(27.5,74.25) ; U27.4 27.5,28.59 v1(27.5,28.75) ; v1(27.5,94) 28.19,93.31 U32.4 ; U19.4 28.19,54.31 v1(27.5,55) ; v1(29.75,99.75) 29.41,99.41 U30.4 ; v1(27.5,35.5) 28.19,34.81 U25.4 ; U17.4 28.19,60.81 v1(27.5,61.5) ; v1(27.5,80.75) 28.19,80.06 U11.4 ; v1(27.5,67.75) 28.19,67.06 U15.4 ; U23.4 28.19,41.06 v1(27.5,41.75) ; v1(27.5,87) 28.09,86.41 U9.4
  Top w0.4: U2.7 9.5,35.13 9,35.64 9,38.5 TP6.1 ; U2.7 22.53,35.13 23.2,35.8 26.4,35.8 26.7,35.5 v1(27.5,35.5) ; U2.7 U2.6
  Bottom w0.2: v1(27.5,28.75) v1(27.5,35.5) v1(27.5,41.75) v1(27.5,48.5) v1(27.5,55) v1(27.5,61.5) v1(27.5,67.75) v1(27.5,74.25) v1(27.5,80.75) v1(27.5,87) v1(27.5,94) 27.5,97.5 v1(29.75,99.75)
/~{RST}: length 26.3
  Top w0.2: U1.14 28,12 v1(27.75,11.75)
  Bottom w0.2: v1(27.75,11.75) 24.75,8.75 24.75,2.5 25.75,1.5 36.85,1.5 J2.12
VD: length 189.9
  Top w0.09: Q134.6 89.5,68.5 ; Q166.6 63.5,55.5 ; Q12.6 v1(60,91.5) ; Q120.6 66.5,72 ; Q278.6 89.5,29.5 ; Q144.6 105.5,72 ; Q14.6 50.5,94.5 ; Q116.6 v1(73,65.5) ; Q4.6 44,101 ; Q28.6 76.5,94.5 ; Q234.6 109,49 ; Q158.6 50.5,55.5 ; Q112.6 53.5,72 ; Q82.6 96,88 ; Q188.6 v1(112,52.5) ; Q106.6 57,75 ; Q288.6 105.5,33 ; Q66.6 70,88 ; Q220.6 v1(86,39.5) ; Q88.6 92.5,85 ; Q214.6 63.5,42.5 ; Q16.6 70,101 ; Q140.6 v1(112,65.5) ; Q232.6 92.5,46 ; Q238.6 102.5,42.5 ; Q260.6 v1(73,26.5) ; Q264.6 66.5,33 ; Q54.6 37.5,81.5 ; Q164.6 v1(73,52.5) ; Q60.6 v1(60,78.5) ; Q210.6 70,49 ; Q96.6 105.5,85 ; Q212.6 v1(73,39.5) ; Q94.6 102.5,81.5 ; Q70.6 63.5,81.5 ; Q250.6 57,36 ; Q118.6 63.5,68.5 ; Q26.6 v1(86,91.5) ; Q228.6 v1(99,39.5) ; Q170.6 83,62 ; Q230.6 89.5,42.5 ; Q102.6 37.5,68.5 ; Q48.6 105.5,98 ; Q130.6 96,75 ; Q90.6 109,88 ; Q266.6 83,36 ; Q24.6 83,101 ; Q114.6 70,75 ; Q142.6 102.5,68.5 ; Q248.6 40.5,33 ; Q40.6 53.5,98 ; Q280.6 92.5,33 ; Q184.6 92.5,59 ; Q200.6 40.5,46 ; Q74.6 83,88 ; Q192.6 105.5,59 ; Q182.6 89.5,55.5 ; Q286.6 102.5,29.5 ; Q34.6 v1(99,91.5) ; Q98.6 44,75 ; Q110.6 50.5,68.5 ; Q148.6 v1(47,52.5) ; Q268.6 v1(86,26.5) ; Q52.6 v1(47,78.5) ; Q10.6 57,101 ; Q208.6 53.5,46 ; Q178.6 96,62 ; Q124.6 v1(86,65.5) ; Q152.6 40.5,59 ; Q272.6 79.5,33 ; Q126.6 76.5,68.5 ; Q30.6 79.5,98 ; Q44.6 v1(112,91.5) ; Q136.6 92.5,72 ; Q282.6 109,36 ; Q274.6 96,36 ; Q76.6 v1(86,78.5) ; Q72.6 66.5,85 ; Q180.6 v1(99,52.5) ; Q38.6 92.5,98 ; Q168.6 66.5,59 ; Q194.6 44,49 ; Q62.6 50.5,81.5 ; Q132.6 v1(99,65.5) ; Q56.6 40.5,85 ; Q202.6 57,49 ; Q244.6 v1(47,26.5) ; Q6.6 37.5,94.5 ; Q196.6 v1(47,39.5) ; Q50.6 44,88 ; Q226.6 96,49 ; Q108.6 v1(60,65.5) ; Q58.6 57,88 ; Q206.6 50.5,42.5 ; Q284.6 v1(112,26.5) ; Q8.6 v1(47,91.5) ; Q36.6 89.5,94.5 ; Q218.6 83,49 ; Q86.6 89.5,81.5 ; Q32.6 96,101 ; Q240.6 105.5,46 ; Q156.6 v1(60,52.5) ; Q262.6 63.5,29.5 ; Q242.6 44,36 ; Q138.6 109,75 ; Q216.6 66.5,46 ; Q46.6 102.5,94.5 ; Q236.6 v1(112,39.5) ; Q64.6 53.5,85 ; Q78.6 76.5,81.5 ; Q246.6 37.5,29.5 ; Q22.6 66.5,98 ; Q174.6 76.5,55.5 ; Q128.6 79.5,72 ; Q160.6 53.5,59 ; Q190.6 102.5,55.5 ; Q186.6 109,62 ; Q176.6 79.5,59 ; Q20.6 63.5,94.5 ; Q154.6 57,62 ; Q150.6 37.5,55.5 ; Q84.6 v1(99,78.5) ; Q256.6 53.5,33 ; Q162.6 70,62 ; Q104.6 40.5,72 ; Q270.6 76.5,29.5 ; Q172.6 v1(86,52.5) ; Q100.6 v1(47,65.5) ; Q92.6 v1(112,78.5) ; Q68.6 v1(73,78.5) ; Q80.6 79.5,85 ; Q252.6 v1(60,26.5) ; Q122.6 83,75 ; Q258.6 70,36 ; Q42.6 109,101 ; Q276.6 v1(99,26.5) ; Q204.6 v1(60,39.5) ; Q18.6 v1(73,91.5) ; Q2.6 40.5,98 ; Q198.6 37.5,42.5 ; Q222.6 76.5,42.5 ; Q146.6 44,62 ; Q254.6 50.5,29.5 ; Q224.6 79.5,46